# Altium PCB DRS4-PCB.PcbDoc (part 14 of 15) (continued)
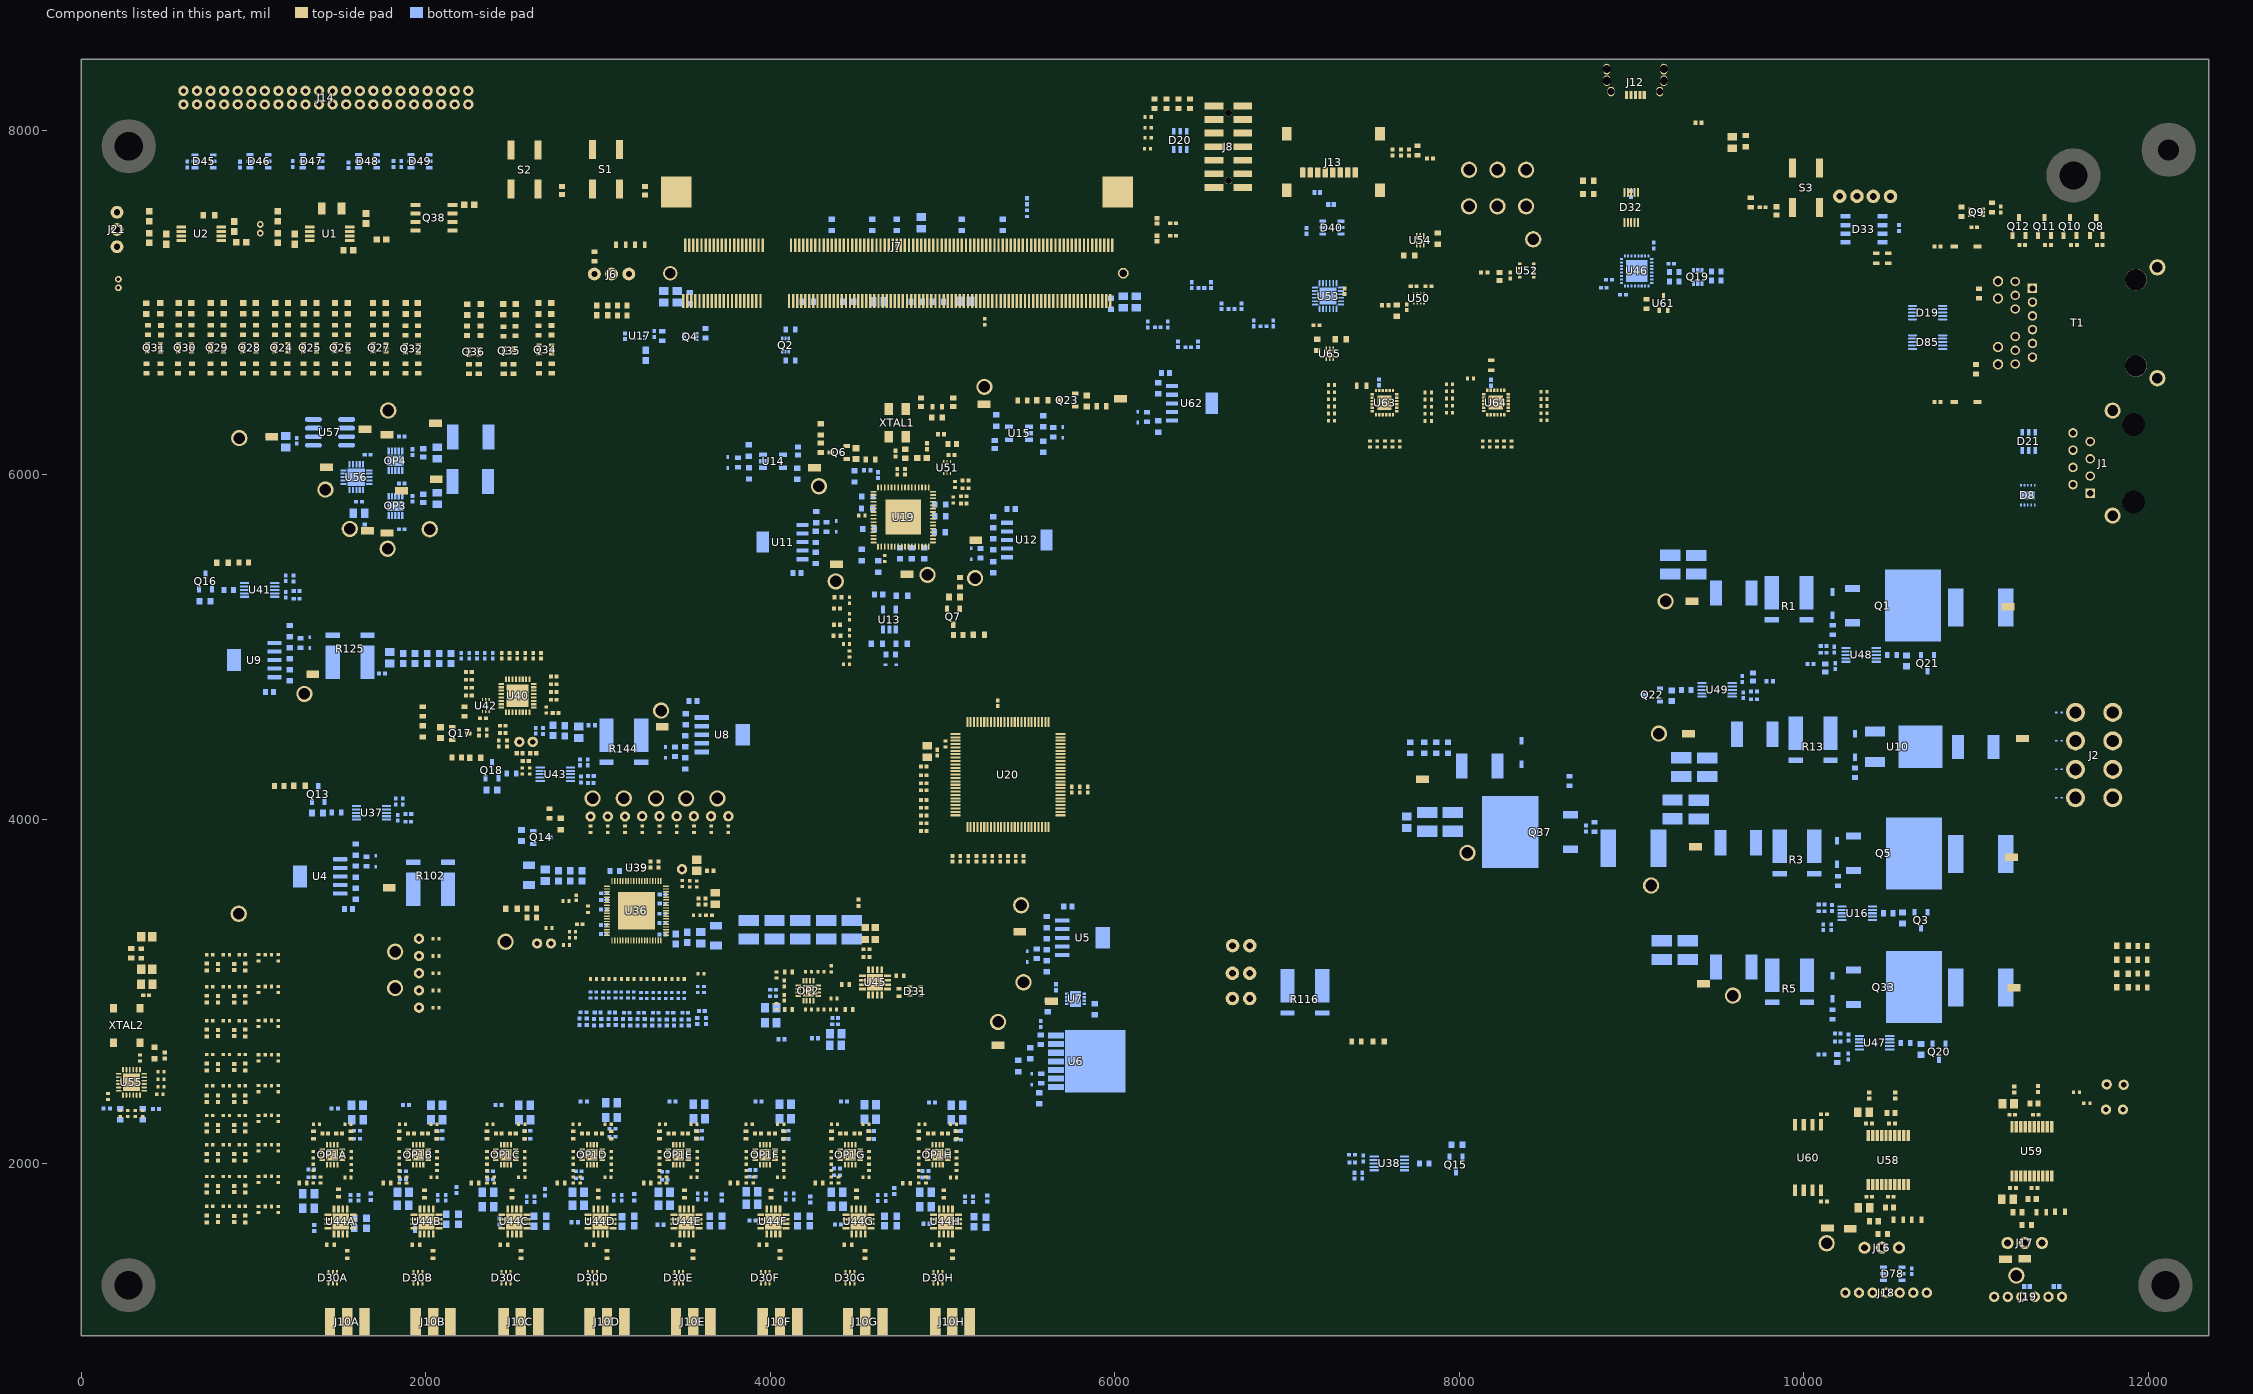
[diagram p24: the components of this part, seen from the top]
## Polygon pours and split planes (outlines as drawn) (continued)
TRB_GND on Top Layer "Top Layer-GND 11" (solid, pour order 110): 10344.93,2328.75 10344.93,2278.82 10378.75,2245 10378.75,2216.25 10383.75,2211.25 10383.75,2129.56 10325.53,2129.56 10325.53,2244.47 10300,2270 10286.25,2270 10286.25,2285 10286.25,2313.75 10286.25,2328.75 10297.5,2328.75 10326.25,2328.75
FTDI_\R\E\S\E\T\ on Top Layer "Top Layer-FTDI_\R\E\S\E\T\" (solid, pour order 62): 9836.64,7674.53 9885.77,7625.41 9885.77,7488.94 9958.04,7488.94 9958.04,7883.59 9836.64,7883.59
-1V_IN on Bottom Layer "Power Layer 9-No Net 4" (solid, pour order 2540): 11310.03,4540.72 11209.59,4641.16 11035.29,4641.16 11035.29,4540.72 11035.29,4303.54 11141.04,4303.54 11231.85,4394.35 11722.59,4394.36 11722.59,4540.72
+3V3_SPM15 on Bottom Layer "Power Layer 9-No Net 3" (solid, pour order 2538): 11723.21,4376.29 11246.37,4376.29 10956.99,4086.91 10956.99,3543 11283.18,3543.01 11283.18,4133.9 11348.54,4199.26 11723.21,4199.26
+3V3_IN on Bottom Layer "Power Layer 9-No Net 1" (solid, pour order 2536): 11376.67,4184.39 11723.52,4184.4 11723.52,2979.84 11485.86,2742.17 11069.64,2742.17 11069.64,3318.52 11236.28,3318.52 11306.78,3389.01 11306.78,4119.39
+4V_IN on Bottom Layer "Power Layer 9-+4V_IN" (solid, pour order 2534): 11234.3,5021.46 11271.62,4984.14 11271.62,4603.92 11317.82,4557.72 11724.45,4557.72 11724.65,5257.26 11476.39,5505.51 11069.96,5505.51 11069.96,5021.46
TRB_GND on Bottom Layer "Bottom Layer-GND 30" (solid, pour order 2480): 29 vertices, not listed, extent 105.39,3320.44 1617.51,6409
TRB_GND on Bottom Layer "Bottom Layer-GND 68" (solid, pour order 848): 5828.77,2977.06 5852.71,2977.06 5854.13,2975.64 5854.13,2960.29 5851.66,2957.82 5816.44,2957.82 5816.44,2977.06
DRS4_2V5_ADM on Bottom Layer "Bottom Layer-NetC21_2" (solid, pour order 842): 17 vertices, not listed, extent 5809.43,2898.61 6152.82,3019.52
2V5_REF on Bottom Layer "Bottom Layer-2V5_REF" (solid, pour order 742): 1473.72,6244.46 1591.51,6244.46 1626.1,6209.86 1626.1,6042.58 1643.61,6042.58 1643.61,6064.46 1659.39,6080.23 1659.39,6280.7 1643.79,6296.29 1473.72,6296.29
NetR210_2 on Bottom Layer "Bottom Layer-NetR210_2" (solid, pour order 382): 9327.85,4773.92 9364.27,4773.92 9377.56,4760.63 9439.86,4760.63 9439.86,4739.17 9378.54,4738.98 9368.5,4728.94 9327.85,4728.94
NetC262_2 on Bottom Layer "Bottom Layer-3.3V 9" (solid, pour order 370): 9690.7,4780.61 9613.19,4780.61 9554.82,4780.61 9554.82,4801.87 9611.52,4801.87 9627.85,4818.21 9676.66,4818.21 9684.25,4826.61 9729.93,4826.61 9729.93,4823.81 9730.35,4780.61
USB_VCC on Bottom Layer "Bottom Layer-USB_VCC" (solid, pour order 64): 9230.26,7239.93 9191.21,7239.92 9173.96,7222.67 9105.85,7222.67 9105.85,7204.09 9155.38,7204.09 9230.26,7204.09
NetC200D_1 on Bottom Layer "Bottom Layer--1V 7" (solid, pour order 1332): 2996.72,1724.48 2996.72,1924.64 3023.42,1952.3 3023.42,1975.16 2887.09,1975.16 2887.09,1896.9 2884.9,1894.72 2885.07,1724.48
NetC200E_1 on Bottom Layer "Bottom Layer--1V 6" (solid, pour order 1364): 3385.99,1716.73 3385.81,1894.72 3387.99,1896.9 3387.99,1975.16 3524.33,1975.16 3524.33,1716.73
NetR209_2 on Bottom Layer "Bottom Layer-NetR209_2" (solid, pour order 396): 10502.46,4980.61 10470.96,4980.61 10452.66,4962.3 10388.48,4962.3 10388.48,4944.69 10452.95,4944.39 10471.65,4925.69 10502.46,4925.69
NetR25_2 on Bottom Layer "Bottom Layer-NetR25_2" (solid, pour order 362): 10482.63,3475.96 10482.63,3429.72 10440.45,3429.72 10425.79,3444.39 10364.37,3444.39 10364.37,3462.6 10428.84,3462.6 10441.93,3475.69
NetR208_2 on Bottom Layer "Bottom Layer-NetR208_2" (solid, pour order 336): 10578.5,2723.29 10578.5,2677.5 10579,2677 10545,2677 10527.5,2694.5 10470,2694.5 10470,2711.5 10535.71,2711.5 10547.5,2723.29
TRB_GND on Bottom Layer " " (solid, pour order 2524): 25 vertices, not listed, extent 1789.12,4421.05 3199.65,5402.88
NetC200G_1 on Bottom Layer "Bottom Layer--1V 4" (solid, pour order 1420): 4480.91,1670.58 4480.91,1763.9 4554.37,1837.37 4554.37,2005.81 4386.93,2005.81 4386.93,1871.85 4386.93,1670.58
NetC200F_1 on Bottom Layer "Bottom Layer--1V 5" (solid, pour order 1384): 3982.24,1644.53 3982.24,1753.18 4031.61,1802.71 4031.61,2004.35 3897,2004.35 3897,1644.53
DRS4_AVDD on Bottom Layer "Bottom Layer-DRS4_AVDD" (solid, pour order 466): 2869.4,3457.22 2895.63,3457.22 2936.45,3416.41 2936.45,3246.49 3028.86,3246.49 3028.86,3666.07 2546.86,3666.07 2513.28,3699.65 2079.54,3699.65 2079.54,3486.26 2405.16,3486.26 2434.65,3457.23
DRS4_DVDD on Bottom Layer "Bottom Layer-GND 27" (solid, pour order 2514): 41 vertices, not listed, extent 3374.85,2623.88 5746.04,3729.28
DRS4_2V5_MIC on Bottom Layer "Bottom Layer-NetC18_2" (solid, pour order 822): 5324.02,2572.65 5706.71,2572.65 5707.49,2573.43 5707.49,2470.65 5708.4,2469.74 5610.67,2469.74 5588.65,2491.76 5431.63,2491.76 5400.83,2460.96 5277.51,2460.96 5271.04,2467.44 5271.04,2564.46 5279.22,2572.65
3.3V on Bottom Layer "Bottom Layer-3.3V" (solid, pour order 276): 9534.1,3233.97 9534.1,2948.06 9444.98,2948.06 9357.5,2860.58 9009.1,2860.58 9009.1,3233.97
4V on Bottom Layer "Bottom Layer-3.3V" (solid, pour order 326): 9439.28,5462.42 9501.15,5400.56 9539.94,5400.56 9539.94,5218.56 9540.94,5217.56 9484.98,5217.56 9401.13,5133.71 9124.53,5133.71 9124.53,5462.42
VCC_3V3 on Bottom Layer "Bottom Layer-3.3V" (solid, pour order 292): 9462,4048.59 9462,4016.55 9528.05,3950.5 9566,3950.5 9566,3768.5 9567,3767.5 9511.04,3767.5 9438.54,3695 9078.44,3695 9078.44,4048.59
NetC200H_1 on Bottom Layer "Bottom Layer--1V 3" (solid, pour order 1444): 4987.46,1677.94 4987.46,1766.5 5073.13,1852.17 5073.72,1879.49 5073.72,1980.28 4902.09,1980.28 4902.09,1868.58 4896.81,1863.31 4896.81,1677.94
NetC199H_1 on Bottom Layer "Bottom Layer-4V 3" (solid, pour order 1440): 4883.58,2223.15 4981.14,2320.7 4981.14,2391.1 5079.25,2391.1 5079.25,2222.01 5087.72,2213.54 5087.72,2118.86 4883.58,2118.86
NetC199G_1 on Bottom Layer "Bottom Layer-4V 4" (solid, pour order 1416): 4382.87,2239.13 4480.55,2336.81 4480.55,2393.8 4577.36,2393.8 4579.37,2213.5 4584.13,2208.74 4584.13,2123.5 4583.66,2123.03 4383.43,2123.03 4382.87,2123.58
NetC199F_1 on Bottom Layer "Bottom Layer-4V 5" (solid, pour order 1386): 3888.07,2229.24 3986.32,2327.49 3986.32,2388.01 4084.57,2387.31 4084.57,2213.5 4089.33,2208.74 4089.33,2123.5 4088.86,2123.03 3888.62,2123.03 3888.07,2123.58
NetC199E_1 on Bottom Layer "Bottom Layer-4V 6" (solid, pour order 1360): 3385,2234.67 3483.25,2332.91 3483.25,2384.58 3581.5,2384.58 3581.5,2213.5 3586.26,2208.74 3586.26,2123.5 3585.79,2123.03 3385.55,2123.03 3385,2123.58
NetC199D_1 on Bottom Layer "Bottom Layer-4V 7" (solid, pour order 1336): 2881.61,2236.64 2966.13,2321.17 2966.13,2396.02 2982.87,2396.02 3070.83,2396.02 3070.83,2239.76 3082.72,2227.87 3082.72,2124.29 2881.85,2124.29
NetC199C_1 on Bottom Layer "Bottom Layer-4V" (solid, pour order 1314): 2388.25,2237.37 2473.38,2322.5 2473.38,2377.83 2567.13,2377.83 2567.13,2226.57 2588.31,2205.39 2588.31,2126.74 2388.25,2126.74
NetC200C_1 on Bottom Layer "Bottom Layer--1V 8" (solid, pour order 1310): 2386.06,1719.52 2361.56,1719.52 2361.42,1865.28 2374.61,1878.46 2374.61,1970.2 2524.41,1970.2 2524.41,1719.52
NetC199A_1 on Bottom Layer "Bottom Layer-4V 2" (solid, pour order 1276): 1512.14,2377.32 1512.14,2290.84 1408.66,2187.37 1407.72,2166.35 1407.72,2126.58 1428.11,2126.61 1598.82,2126.61 1598.62,2127.28 1598.62,2377.32
NetC200A_1 on Bottom Layer "Bottom Layer--1V 2" (solid, pour order 1272): 1457.31,1804.38 1457.31,1672.19 1320.37,1672.19 1320.38,1707.76 1319.72,1707.76 1319.72,1857.6 1337.99,1875.87 1337.99,1992.2 1524.33,1992.2 1524.33,1871.41
NetC222_1 on Bottom Layer "Bottom Layer-4V 1" (solid, pour order 1142): 4151.89,2752.79 4016.93,2752.79 4016.93,3040.98 4151.89,3040.98 4151.89,2925.16
3.3V on Bottom Layer "Bottom Layer-3.3V 34" (solid, pour order 924): 2810.67,4288.23 2975.85,4288.23 2976.22,4287.86 2991.93,4287.86 2991.93,4324.22 2983.85,4324.22 2979.66,4324.22 2975.85,4324.22 2882.48,4324.22 2870.75,4312.49 2810.67,4312.49
S\H\D\N\ on Bottom Layer "Bottom Layer-S\H\D\N\" (solid, pour order 864): 1791.48,6175.76 1741.42,6175.76 1736.4,6170.74 1736.4,6000.19 1748.67,5987.91 1792.71,5987.91 1792.71,6048.23 1772.43,6048.23 1772.03,6048.63 1772.43,6112.5 1791.48,6112.5
S\H\D\N\ on Bottom Layer "Bottom Layer-S\H\D\N\ 1" (solid, pour order 862): 1792.71,5913.98 1741.42,5913.98 1736.4,5908.96 1736.4,5738.41 1748.67,5726.14 1792.71,5726.14 1792.71,5786.45 1772.43,5786.45 1772.03,5786.85 1772.43,5850.72 1792.71,5850.72
no net on Bottom Layer "Bottom Layer-No Net 14" (solid, pour order 784): 5732.55,4176.44 5765.88,4176.44 5785.48,4156.84 5903.85,4156.84
NetC340_1 on Bottom Layer "Bottom Layer-NetC340_1" (solid, pour order 732): 2197.14,6035.33 2017.7,6035.33 1894.01,5911.63 1856.4,5911.63 1856.4,5853.54 1855.59,5852.72 1889.35,5852.72 1905.32,5868.68 2029.74,5868.68 2101.28,5868.68 2197.14,5868.68
NetC343_1 on Bottom Layer "Bottom Layer-NetC343_1" (solid, pour order 730): 2197.14,6309.86 2030.46,6309.86 1894.01,6173.41 1856.4,6173.41 1856.4,6115.32 1855.59,6114.5 1889.35,6114.5 1905.32,6130.46 2029.74,6130.46 2101.28,6130.46 2197.14,6130.46
3.3V on Bottom Layer "Bottom Layer-3.3V 20" (solid, pour order 668): 5333.17,5587.58 5438.74,5587.58 5438.74,5549.66 5336.85,5549.66 5325.59,5538.4 5002.33,5538.4 5002.33,5621.69 5001.95,5622.07 5239.31,5622.07 5273.81,5587.58
TRB_GND on Bottom Layer "Bottom Layer-GND 44" (solid, pour order 666): 7056.92,5140.19 6231.88,4315.15 5701.17,4315.15 5701.17,4705.64 5476.54,4930.26 5476.54,5080.46 5476.54,5591.37 5473.31,5594.6 5321.5,5594.6 5269.77,5595.52 5269.77,5649.74 5476.54,5649.74 5476.54,5943 7056.92,5943
CLK_VDDO_3V3 on Bottom Layer "Bottom Layer-CLK_VDDO_3V3" (solid, pour order 590): 4566.17,5906.84 4566.17,5777.25 4656.19,5777.25 4656.19,5906.84
NetC200B_1 on Bottom Layer "Bottom Layer--1V" (solid, pour order 572): 1959.46,1682.95 1959.46,1778.57 2032.05,1851.41 2032.05,1977.94 1866.34,1977.94 1866.34,1806.3 1866.34,1682.95
NetC199B_1 on Bottom Layer "Bottom Layer-4V" (solid, pour order 570): 1878.8,2220.01 1946.8,2288.01 1946.8,2380.98 2057.68,2380.98 2057.68,2226.57 2078.86,2205.39 2078.86,2126.74 1878.8,2126.74
"3V ADC" on Bottom Layer "Bottom Layer-ADC_AVDD" (solid, pour order 500): 2959.07,4600.16 2712.4,4600.16 2686.76,4625.81 2468.5,4625.81 2468.5,4513.78 2854.61,4513.78 2959.07,4513.78
VDD_MARS_3V3 on Bottom Layer "Bottom Layer-VDD_MARS_3V3" (solid, pour order 416): 7742.98,4410.72 7626.22,4410.72 7626.22,4342.23 7626.22,3992.29 8067.58,3992.29 8067.58,4410.73
TRB_GND on Bottom Layer "Bottom Layer-GND 38" (solid, pour order 502): 2616.13,4509.1 2825.25,4509.1 2944.38,4509.1 2944.62,4401.78 2737.18,4401.78 2694.97,4443.99 2616.13,4443.99
TRB_GND on Bottom Layer "Bottom Layer-No Net 18" (solid, pour order 972): 3560.45,6831.06 3573.07,6831.06 3608.87,6866.86 3645.78,6866.86 3645.78,6812.65 3559.9,6812.65 3560.45,6813.2
ADC_AVDD on Bottom Layer " " (solid, pour order 2286): 2988.74,4384.43 2988.74,4482.86 2965.3,4505.66 2965.3,4597.59 3095.79,4597.59 3095.79,4384.43
3V_ADC_ANA on Bottom Layer "Bottom Layer-3V_ADC_ANA" (solid, pour order 504): 3203.29,4382.8 3306.72,4382.8 3306.72,4505.03 3318.85,4517.39 3653.41,4517.39 3647.94,4522.86 3647.94,4564.95 3481.63,4564.95 3453.12,4593.45 3203.29,4593.45
3.3V on Bottom Layer " " (solid, pour order 2510): 7145.71,2922.02 7332.52,2922.02 7410.94,2843.6 7515.18,2843.6 7515.18,3289.31 7346.41,3289.31 7309.69,3252.59 7145.71,3252.59
NetJ3_1 on Bottom Layer " " (solid, pour order 2504): 7072.34,3253.02 6913.73,3253.02 6835.31,3331.44 6731.07,3331.44 6731.07,2885.73 6899.84,2885.73 6936.56,2922.45 7072.34,2922.45
ADC_DVDD on Bottom Layer " " (solid, pour order 2284): 1742.1,4867.88 1731.65,4867.88 1708.39,4891.14 1708.39,5019.36 1580.94,5019.37 1580.64,4811.24 1742.1,4810.89
2V5_DRS_ANA on Bottom Layer "Bottom Layer-2V5_DRS_ANA" (solid, pour order 554): 1974.02,3704.39 1812.01,3704.88 1746.05,3638.92 1629.21,3638.92 1446.84,3638.92 1446.84,3593.25 1547.62,3593.23 1578.62,3562.24 1669.38,3562.24 1745.73,3493.04 1974.02,3493.04
2V5_ADC_DIG on Bottom Layer "Bottom Layer-2V5_ADC_DIG" (solid, pour order 528): 1340.07,4900.6 1388.34,4948.86 1388.33,5020.2 1508.35,5020.2 1508.35,4811.32 1269.99,4811.32 1235.69,4845.62 1060.16,4845.62 1060.12,4900.46
NetF1_2 on Bottom Layer "Bottom Layer-NetF3_2" (solid, pour order 328): 10410,5052.38 10431.78,5052.38 10457.66,5023.88 10944.6,5023.88 10944.6,5503.8 10410,5503.8
NetD81_1 on Bottom Layer "Bottom Layer-NetCR5_1" (solid, pour order 414): 8485.34,4405.11 8485.34,3661.86 8101.1,3661.86 8101.09,4157.89 8140.73,4157.88 8163.21,4180.37 8163.22,4405.11
NetC60_1 on Bottom Layer "Bottom Layer-NetC60_1" (solid, pour order 412): 8719.75,3949.43 8705.6,3963.58 8570.77,3963.58 8570.77,4154.63 8719.98,4154.63 8719.98,4049.7 8749.9,4019.78 8818.6,4019.78 8818.6,3964.07 8819.09,3963.58 8766.34,3963.58 8752.19,3949.43
NetC60_2 on Bottom Layer "Bottom Layer-NetC60_2" (solid, pour order 410): 8766.76,3947.34 8762.53,3943.11 8571.06,3943.11 8571.06,3760.98 8738.72,3760.98 8806,3693.7 8926.08,3693.7 8927.07,3692.72 8927.07,3947.34
NetFB2_1 on Bottom Layer "Bottom Layer-NetFB4_1" (solid, pour order 324): 9863.19,5414.71 9648,5414.71 9648,5186.89 9740.58,5186.89 9762.18,5208.49 9863.19,5208.49
NetD68_1 on Bottom Layer "Bottom Layer-3V3_BUS" (solid, pour order 322): 9965.57,5417.59 10358.5,5417.59 10358.5,5279.66 10169.76,5279.66 10098.59,5208.49 9965.57,5208.49
NetD69_2 on Bottom Layer "Bottom Layer-NetCR2_2" (solid, pour order 310): 10375.88,3741 10235.79,3741 10206.59,3770.2 10169.79,3770.2 10169.79,3646.5 10215.79,3646.5 10239.29,3670 10375.88,3670
NetFB5_1 on Bottom Layer "Bottom Layer-NetFB4_1" (solid, pour order 296): 10007.76,4523.1 10009.76,4525.1 10009.76,4534.6 9926.26,4534.6 9879.26,4581.6 9771.26,4581.6 9771.26,4405.1 9866.76,4405.1 9935.26,4473.6 10007.76,4473.6
NetFB3_1 on Bottom Layer "Bottom Layer-NetFB4_1" (solid, pour order 290): 9759.8,3774.71 9808.2,3726.3 9900.8,3726.3 9900.8,3892.71 9902.8,3894.71 9902.8,3951.21 9664.3,3951.21 9664.3,3774.71
NetD82_2 on Bottom Layer "Bottom Layer-3V3_BUS" (solid, pour order 288): 10095.77,4529.97 10210.27,4529.97 10230.57,4550.26 10482.77,4550.26 10482.77,4471 10318.3,4471 10309.33,4462.02 10095.77,4462.02
NetF2_2 on Bottom Layer "Bottom Layer-NetF3_2" (solid, pour order 286): 10938.04,4080.5 10938.04,3560.14 10433.09,3560.14 10433.09,4080.5
NetD69_1 on Bottom Layer "Bottom Layer-3V3_BUS" (solid, pour order 284): 9993.8,3730.57 9992.57,3729.34 10120.87,3729.34 10188.85,3797.32 10352.86,3797.32 10353.28,3953.96 9993.8,3953.96
NetFB4_1 on Bottom Layer "Bottom Layer-NetFB4_1" (solid, pour order 274): 9759.62,2988.1 9702.81,3044.9 9645.23,3044.9 9645.23,3227.53 9873.24,3227.53 9873.24,2988.1
NetD80_1 on Bottom Layer "Bottom Layer-3V3_BUS" (solid, pour order 272): 9960.54,3226.7 10345.48,3226.7 10345.48,3070.5 10197.87,3070.5 10113.09,2985.73 9960.54,2985.73
NetF3_2 on Bottom Layer "Bottom Layer-NetF3_2" (solid, pour order 270): 10718.62,3279.97 10760.3,3321.65 10941.31,3321.65 10941.31,2752.9 10648.9,2752.9 10599.94,2801.86 10433.88,2801.86 10433.88,3279.97
3.3V on Bottom Layer " " (solid, pour order 2568): 1615.43,5607.98 1615.43,5689.1 1702.64,5689.1 1702.64,5607.98
3.3V on Bottom Layer " " (solid, pour order 2566): 1029.08,6274.72 1095.26,6274.72 1095.26,6186.63 1029.08,6186.63
NetC56_2 on Bottom Layer "Bottom Layer-NetC56_2" (solid, pour order 710): 5468.9,6220.93 5551.32,6220.93 5569.09,6238.7 5711.25,6238.7 5741.11,6208.84 5741.11,6158.55 5740.74,6158.17 5468.9,6158.17
3.3V on Bottom Layer "Bottom Layer-3.3V 18" (solid, pour order 708): 5473.47,6301.4 5839.64,6301.4 5868.02,6301.4 5868.02,6215.35 5746.31,6215.35 5704.83,6256.83 5473.47,6256.83
NetC34_2 on Bottom Layer "Bottom Layer-NetC34_2" (solid, pour order 548): 1076.37,5000.87 1157.14,5000.87 1186.27,5030 1373.26,5030 1373.8,5030.54 1373.8,5086.5 1076.37,5086.5
3.3V on Bottom Layer "Bottom Layer-3.3V 14" (solid, pour order 546): 1073.81,4956.95 1365.92,4956.95 1373.91,4964.95 1373.91,5018.48 1182.92,5018.48 1154.82,4990.39 1073.81,4990.39
TRB_GND on Bottom Layer "Bottom Layer-GND 86" (solid, pour order 1126): 7648.29,3981.34 8021.7,3981.34 8022.2,3835.11 7648.29,3835.11
-1V on Bottom Layer "Bottom Layer-3.3V" (solid, pour order 298): 9565.35,4612.5 9597.5,4580.35 9661,4580.35 9661,4398.35 9662,4397.35 9606.04,4397.35 9522.19,4313.5 9221.5,4313.5 9221.5,4612.5
NetD82_1 on Bottom Layer "Bottom Layer-NetCR4_1" (solid, pour order 314): 10477.86,4366.76 10337.77,4366.76 10314.03,4390.5 10271.77,4390.5 10271.77,4272.26 10317.77,4272.26 10341.27,4295.76 10477.86,4295.76
TRB_GND on Bottom Layer "Bottom Layer-GND 129" (solid, pour order 2520): 8201.41,6537.46 8136.62,6537.46 8136.62,6587.86 8201.02,6587.86
TRB_GND on Bottom Layer " " (solid, pour order 2512): 2129.07,2913.66 2161.71,2913.66 2161.71,2851.25 2129.07,2851.25
TRB_GND on Bottom Layer " " (solid, pour order 2454): 36 vertices, not listed, extent 1513.05,2851.31 4573.43,3689.39
NetC11_1 on Bottom Layer "Bottom Layer-NetC11_1" (solid, pour order 556): 1426.86,3586.19 1544.62,3586.19 1556.13,3574.68 1556.13,3452.03 1480.04,3452.03 1480.04,3506.83 1426.79,3560.08
TRB_GND on Bottom Layer "Bottom Layer-GND 73" (solid, pour order 928): 7463.09,1930.1 7371.36,1930.23 7365.84,1924.71 7326.46,1924.71 7288.82,1924.71 7288.82,1891.05 7459.41,1890.72 7463.09,1894.4
no net on Bottom Layer " " (solid, pour order 2506): 7308.02,3240.23
TRB_GND on Bottom Layer " " (solid, pour order 2016): 22 vertices, not listed, extent 5573.7,2313.17 6701.95,4296.01
DRS4_2V5_TPS on Bottom Layer "Bottom Layer-3.3V 12" (solid, pour order 450): 5298.2,3150.64 5461.21,3150.63 5461.21,3197.58 5511.2,3197.58 5524.29,3210.67 5630.09,3210.67 5657.26,3237.84 5744.96,3237.84 5745.25,3282.72 5537.08,3282.92 5298.2,3282.91
TRB_GND on Bottom Layer "Bottom Layer-GND 57" (solid, pour order 1770): 1880.24,7800.28 1880.24,7767.38 1792.36,7767.38 1792.36,7800.28
3.3V on Bottom Layer "Bottom Layer-3.3V 23" (solid, pour order 1768): 1799.52,7805.08 1938.11,7805.08 1938.11,7834.42 1829.12,7834.42 1826.54,7837 1799.54,7837
TRB_GND on Bottom Layer "Bottom Layer-GND 79" (solid, pour order 1024): 1906.8,6099.85 1946.16,6099.85 1978.48,6067.54 2099.73,6067.54 2099.73,6126.95 1906.8,6126.95
3.3V on Bottom Layer "Bottom Layer-3.3V 23" (solid, pour order 812): 1533.16,7800.27 1634.24,7800.27 1634.24,7833.35 1579.86,7833.35 1577.27,7835.94 1533.19,7835.94
3.3V on Bottom Layer "Bottom Layer-3.3V 24" (solid, pour order 804): 1211.4,7805.51 1314.53,7805.51 1314.53,7829.7 1310.69,7833.54 1256.32,7833.54 1253.73,7836.12 1211.42,7836.12
TRB_GND on Bottom Layer "Bottom Layer-GND 41" (solid, pour order 740): 1581.94,5855.1 1581.94,5833.35 1551.87,5803.28 1551.87,5746.77 1607.88,5746.77 1607.88,5855.1
VCC_IO_B34 on Bottom Layer "Bottom Layer-GND 75" (solid, pour order 2402): 4987.52,6974.63 4987.52,7036.91 5119.6,7036.91 5119.6,6974.63
NetC217G_2 on Bottom Layer "Bottom Layer-3.3V 38" (solid, pour order 1424): 4573.35,1747.95 4572.69,1798.96 4759.02,1798.96 4759.02,1667.01 4573.35,1667.84
NetC217F_2 on Bottom Layer "Bottom Layer-3.3V 39" (solid, pour order 1390): 4148.5,1806.35 4202.39,1752.46 4253.77,1752.46 4253.77,1670.64 4066.97,1670.64 4066.97,1806.35
NetC217D_2 on Bottom Layer "Bottom Layer-3.3V 41" (solid, pour order 1340): 3149.38,1800.03 3184.42,1765 3241.25,1765 3241.25,1670.32 3068.54,1670.32 3068.54,1800.03
NetC217C_2 on Bottom Layer "Bottom Layer-3.3V 42" (solid, pour order 1318): 2724.27,1740.45 2707.01,1757.7 2707.01,1791.81 2655.94,1791.81 2552.01,1791.81 2552.01,1670.86 2724.27,1670.86
NetC217A_2 on Bottom Layer "Bottom Layer-3.3V 36" (solid, pour order 1256): 1623.33,1799.18 1662.04,1760.46 1697.14,1760.46 1697.17,1659.67 1544.83,1659.32 1544.55,1799.18
TRB_GND on Bottom Layer "Bottom Layer-GND 103" (solid, pour order 1452): 5293.94,1656.65 5073.46,1656.65 5073.46,1576.74 5285.73,1576.51 5293.94,1585.71
NetC217B_2 on Bottom Layer "Bottom Layer-3.3V 43" (solid, pour order 1296): 2052.17,1799.03 2132.92,1799.03 2139.38,1805.49 2216.93,1805.49 2216.93,1674.06 2154.76,1674.06 2146.93,1681.89 2052.17,1681.89
TRB_GND on Bottom Layer "Bottom Layer-GND 14" (solid, pour order 1144): 4006.59,2947 4012.97,2953.38 4012.97,3041.16 3876.06,3041.16 3876.06,2786.19 4006.59,2786.19
NetC287_1 on Bottom Layer "Bottom Layer-3.3V 28" (solid, pour order 772): 197.11,2369.97 197.1,2297.08 255.88,2297.08 255.88,2363.18 241.16,2377.91 197.11,2377.91
NetC286_1 on Bottom Layer "Bottom Layer-3.3V 29" (solid, pour order 770): 324.31,2370.81 324.31,2297.92 390.29,2297.92 390.29,2356.82 368.37,2378.75 324.31,2378.75
3.3V on Bottom Layer "Bottom Layer-3.3V 8" (solid, pour order 386): 9139.86,4698.92 9198.45,4698.92 9206.1,4707.17 9258.03,4707.14 9258.03,4660.43 9250.39,4660.43 9216.93,4660.43 9209.53,4660.43 9209.45,4667.72 9207.87,4669.49 9139.86,4669.49
TRB_GND on Bottom Layer "Bottom Layer-GND 42" (solid, pour order 716): 22 vertices, not listed, extent 5255.69,6082.46 5677.11,6403.19
TRB_GND on Bottom Layer "Bottom Layer-GND 45" (solid, pour order 664): 26 vertices, not listed, extent 4480.02,4954.84 4918.74,5265.84
TRB_GND on Bottom Layer "Bottom Layer-GND 79" (solid, pour order 2256): 1906.32,5828.57 1953.04,5828.57 1977.99,5803.61 2099.25,5803.61 2099.25,5860.22 1906.32,5860.22
"2V5 ADC" on Bottom Layer "Bottom Layer-ADC_DVDD" (solid, pour order 524): 2457.09,4824.19 2457.09,4782.5 2457.72,4781.87 2353.19,4781.87 2312.39,4824.19 1749.36,4824.19 1749.36,4929.7 2171.98,4929.7 2189,4946.71 2457.05,4946.71
TRB_GND on Bottom Layer "Bottom Layer-GND 84" (solid, pour order 1140): 4378.83,2648.4 4378.83,2920.04 4542.89,2920.04 4542.89,2648.4
FTDI_1V8 on Bottom Layer "Bottom Layer-FTDI_1V8" (solid, pour order 932): 8839.34,7066.13 8898.3,7066.13 8937.15,7104.97 8950.96,7104.97 8950.96,7124.52 8915.68,7124.52 8896.14,7104.97 8839.34,7104.97
TRB_GND on Bottom Layer " " (solid, pour order 2012): 5714.83,2122.81 5873.78,1963.86 7011.17,1963.86 7011.17,2509.77 6842.84,2678.1 6842.84,2787.56 6700.23,2787.56 6694.61,2787.56 5718.47,2787.56
NetC23_2 on Bottom Layer "Bottom Layer-NetC23_2" (solid, pour order 838): 5734.94,2975.96 5656.16,2975.96 5631.54,3000.58 5631.54,3022.16 5734.61,3022.31
TRB_GND on Bottom Layer "Bottom Layer-GND 25" (solid, pour order 464): 2550.62,3675.78 2550.62,3793.88 2672.49,3793.88 2679.23,3787.13 2937.09,3787.13 2947,3777.22 2947,3720.56 2947,3675.77
3.3V on Bottom Layer "Bottom Layer-3.3V 44" (solid, pour order 1858): 8237.48,6484.08 8156.4,6484.08 8156.4,6534.48 8237.09,6534.48
TRB_GND on Bottom Layer "Bottom Layer-GND 129" (solid, pour order 1850): 7551.72,6537.87 7486.93,6537.87 7486.93,6588.26 7551.33,6588.26
3.3V on Bottom Layer "Bottom Layer-3.3V 45" (solid, pour order 1848): 7599.48,6484.61 7495.53,6484.61 7495.53,6535 7599.08,6535
TRB_GND on Bottom Layer "Bottom Layer-GND 127" (solid, pour order 1828): 5514.96,2370.94 5708.11,2370.94 5708.31,2317.05 5514.96,2317.05
NetC223_1 on Bottom Layer "Bottom Layer--1V 1" (solid, pour order 1138): 4372.82,2978.3 4329.41,3021.7 4329.41,3052.72 4256.72,3052.72 4256.72,2648.55 4372.81,2648.55
VDD_MARS_3V3 on Bottom Layer "Bottom Layer-VDD_MARS_3V3 1" (solid, pour order 1762): 6121.03,6322.09 6086.74,6287.8 5984.29,6287.8 5984.29,6385.71 6105.28,6385.71 6383.43,6385.71 6383.43,6339.5 6169.17,6338.27 6152.99,6322.09
NetC369_2 on Bottom Layer "Bottom Layer-NetC369_2" (solid, pour order 430): 6383.13,6335.88 6172.4,6335.88 6155.77,6319.25 6120.94,6319.25 6120.94,6282.05 6275.35,6282.05 6383.13,6282.05
TRB_GND on Bottom Layer "Bottom Layer-GND 16" (solid, pour order 426): 18 vertices, not listed, extent 5250.14,5890.7 7056.92,6607.29
NetC371_1 on Bottom Layer "Bottom Layer-NetC371_1" (solid, pour order 422): 6376.06,6497.42 6281.87,6497.42 6281.87,6556.48 6296.83,6571.44 6296.83,6616.61 6361.69,6616.61 6361.69,6562.28 6375.57,6548.5
VCC_IO_B34 on Bottom Layer "Bottom Layer-VCC_IO_B34" (solid, pour order 418): 6271.83,6404.87 6081.28,6404.87 6081.28,6504.58 6086.13,6509.43 6198.01,6509.43 6214.94,6492.5 6376.16,6492.5 6376.16,6446.63 6376.16,6441.52 6283.74,6441.52 6271.83,6429.61
TRB_GND on Bottom Layer "Bottom Layer-GND 104" (solid, pour order 1450): 5073.72,1793.74 5205.86,1793.74 5205.86,1878.09 5088.66,1878.09 5088.66,1845.22 5073.72,1830.28
NetC217H_2 on Bottom Layer "Bottom Layer-3.3V 37" (solid, pour order 1448): 5196.51,1790.59 5235.33,1751.77 5293.7,1751.77 5293.7,1659.88 5294.09,1659.49 5073.82,1659.49 5073.82,1790.59
TRB_GND on Bottom Layer "Bottom Layer-GND 98" (solid, pour order 1418): 4583.82,2215.71 4589.5,2210.04 4589.5,2119.8 4689.3,2119.8 4689.3,2394.64 4583.82,2394.64
TRB_GND on Bottom Layer "Bottom Layer-GND 98" (solid, pour order 1388): 4082.02,2222.32 4093.08,2211.26 4093.08,2121.02 4192.88,2121.02 4192.88,2385.75 4082.02,2385.75
NetC217E_2 on Bottom Layer "Bottom Layer-3.3V 40" (solid, pour order 1368): 3643.85,1807.58 3686.04,1765.39 3749.84,1765.39 3749.84,1670.73 3561.81,1670.73 3561.81,1807.58
TRB_GND on Bottom Layer "Bottom Layer-GND 98" (solid, pour order 1362): 3578.91,2224.05 3589.97,2212.99 3589.97,2122.76 3689.77,2122.76 3689.77,2385.05 3578.91,2385.05
TRB_GND on Bottom Layer "Bottom Layer-GND 98" (solid, pour order 1338): 3075.72,2234.69 3086.78,2223.63 3086.78,2124.53 3186.58,2124.53 3186.58,2394.17 3075.72,2394.17
TRB_GND on Bottom Layer "Bottom Layer-GND 98" (solid, pour order 1316): 2581.47,2223.7 2592.53,2212.64 2592.53,2126.61 2692.33,2126.61 2692.33,2379.33 2581.47,2379.33
TRB_GND on Bottom Layer "Bottom Layer-GND 98" (solid, pour order 1290): 2070.75,2223.7 2081.81,2212.64 2081.81,2126.61 2181.61,2126.61 2181.61,2379.88 2070.75,2379.88
NetC47_2 on Bottom Layer "Bottom Layer-NetC47_2" (solid, pour order 656): 4628.22,5130.35 4671.65,5130.27 4671.66,5058.77 4689.9,5040.53 4689.9,4865.67 4627.46,4865.38 4627.43,5130.35
no net on Bottom Layer "Bottom Layer-No Net 20" (solid, pour order 1130): 13280.19,4545.09
TRB_GND on Bottom Layer "Bottom Layer-GND 87" (solid, pour order 1124): 7626.65,4426.57 8068.52,4425.85 8068.52,4502.18 7626.65,4502.18
TRB_GND on Bottom Layer "Bottom Layer-GND 96" (solid, pour order 1082): 4642.59,5949.94 4642.59,5988.15 4636.46,5994.28 4565.08,5994.28 4564.54,5993.74 4564.54,5949.94
NetC85_2 on Bottom Layer "Bottom Layer-NetC85_2" (solid, pour order 1080): 4563.11,6065.56 4665.1,6065.56 4681.65,6049.01 4681.65,5949.64 4646.3,5949.64 4646.1,5949.83 4646.1,5991.24 4639.46,5997.88 4564.67,5997.88 4564.66,5997.88
CLK_VDDA_3V3 on Bottom Layer "Bottom Layer-CLK_VDDA_3V3" (solid, pour order 692): 4043.94,6017.36 4166.91,6017.36 4186.81,5997.2 4556.71,5997.2 4556.71,6065.56 4139.08,6065.56 4043.94,6065.56
no net on Bottom Layer "Bottom Layer-No Net 19" (solid, pour order 1074): 4441.32,5961.94
VCC_IO_B34 on Bottom Layer "Bottom Layer-GND 75" (solid, pour order 1022): 4466.78,6968.16 4466.78,7038.18 4622.98,7038.18 4622.98,6968.16
TRB_GND on Bottom Layer "Bottom Layer-GND 1" (solid, pour order 934): 8835.53,7099.92 8835.53,7068.26 8766.32,7068.1 8766.32,7105.56 8835.7,7105.56
3.3V on Bottom Layer "Bottom Layer-3.3V 34" (solid, pour order 930): 7533.75,1969.91 7368.57,1969.91 7368.2,1970.28 7325.74,1970.28 7288.9,1970.28 7288.9,1930.31 7325.73,1930.31 7364.19,1930.31 7364.57,1929.93 7368.57,1933.92 7461.94,1933.92 7473.67,1945.65 7533.75,1945.65
TRB_GND on Bottom Layer "Bottom Layer-GND 73" (solid, pour order 926): 2875.06,4331.15 2963.11,4331.02 2968.63,4336.55 2987.88,4336.55 2987.88,4370.32 2875.06,4370.53
TRB_GND on Bottom Layer "Bottom Layer-GND 74" (solid, pour order 922): 1569.8,4026.11 1655.44,4026.11 1659.38,4022.17 1659.38,3988.93 1655.72,3985.27 1568.95,3985.27
TRB_GND on Bottom Layer "Bottom Layer-GND 73" (solid, pour order 920): 1798.52,4106.73 1890.25,4106.6 1895.77,4112.12 1989.42,4112.12 1989.42,4145.74 1802.2,4146.11 1798.52,4142.43
3.3V on Bottom Layer "Bottom Layer-3.3V 34" (solid, pour order 918): 1744.13,4068.23 1909.3,4068.23 1909.68,4067.86 1988.84,4067.86 1988.85,4107.83 1913.68,4107.83 1913.3,4108.21 1909.31,4104.22 1815.94,4104.22 1804.21,4092.49 1744.13,4092.49
no net on Bottom Layer "Bottom Layer-No Net 17" (solid, pour order 916): 1745.33,4068.71
TRB_GND on Bottom Layer "Bottom Layer-GND 73" (solid, pour order 914): 1165.29,5401.92 1257.02,5401.8 1262.55,5407.32 1329.21,5407.32 1329.21,5440.99 1168.97,5441.31 1165.29,5437.63
3.3V on Bottom Layer "Bottom Layer-3.3V 34" (solid, pour order 912): 1094.64,5362.11 1259.82,5362.11 1260.19,5361.74 1329.53,5361.74 1329.54,5401.72 1264.2,5401.72 1263.82,5402.1 1259.82,5398.1 1166.45,5398.1 1154.72,5386.37 1094.64,5386.37
3.3V on Bottom Layer "Bottom Layer-3.3V 32" (solid, pour order 902): 2311.58,6085.08 2507.95,6085.08 2509.16,6086.29 2509.16,5849.03 2510.67,5847.52 2311.58,5847.52